# Altium PCB Project_board_V3.0.PcbDoc (part 2 of 2) (continued)
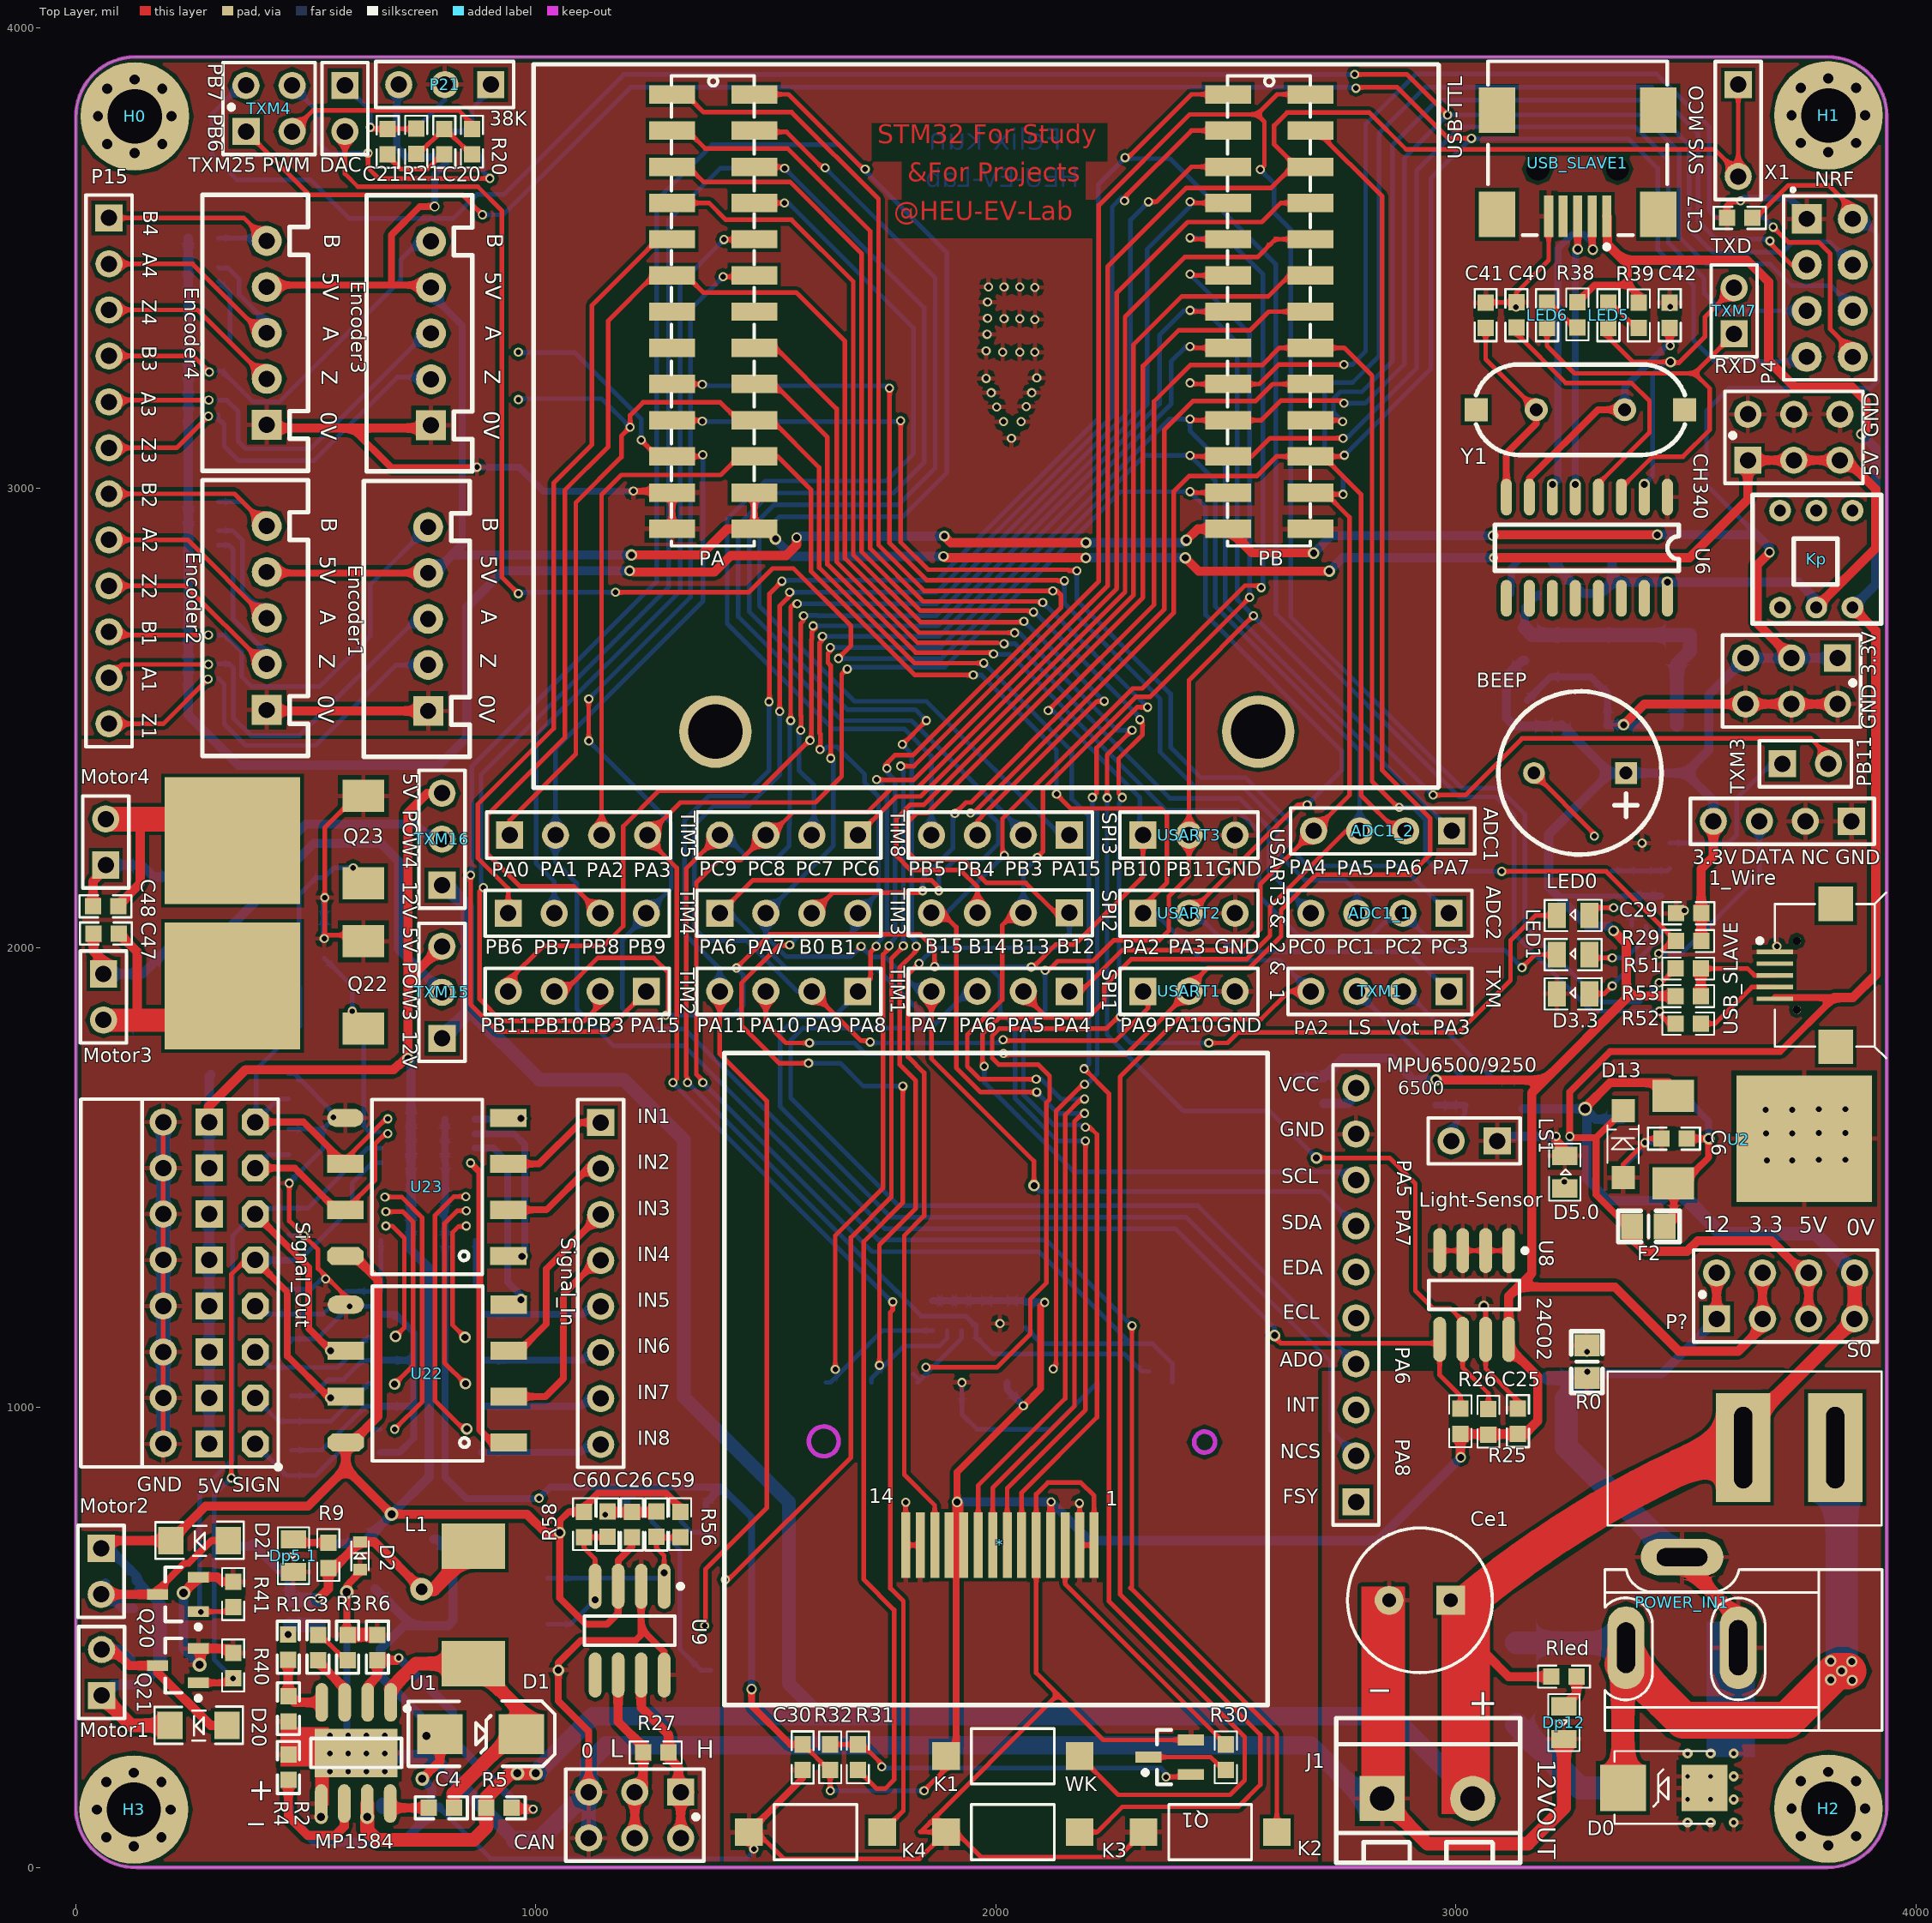
[diagram p0: Top Layer view]
## Nets (pads, with @x,y where several pads share a name; then routed paths per layer and width w, separated by ;. In a path a pad name is that pad's centre, name@x,y a point inside that pad or via, vN(x,y) a via of type N, cw(c..) or ccw(c..) an arc to the next point about the centre after c; other vN are vias at no path point) (continued)
PB12: *.12 PB.7 SPI2.1 | length 3866.3
  Top Layer w10: v1(1833,1966) 1809,1942 1809,1763 1844,1728 1844,1417 1801,1374 1801,1235.53 1801,854 1867.27,787.73 *.12@1867.27,701 ; SPI2.1@2160,2075 2131,2075 2065,2141 1980,2141 1929,2192 1825,2192 1810,2207 1810,2275 1828,2293 1851.28,2293 2320,2761.72 2320,3265 2398,3343 2553.25,3343 2593.52,3383.27 PB.7@2683.87,3383.27 PB.7@2716.73,3383.27
  Bottom Layer w10: v1(1833,1966) 1867,2000 2128,2000 2160,2032 SPI2.1@2160,2076
PB13: *.9 PB.21 SPI2.2 | length 3495.3
  Top Layer w10: *.9@1961.76,701 1961.76,830.76 2151,1020 2151,1636.72 2185.28,1671 v1(2193,1671) ; SPI2.2@2060,2076 2041,2076 2014,2049 2014,1887 1938,1811 1938,1742 1966,1714 v1(2088,1714) ; v1(2090,2196) 2090,2197 2102.53,2209.53 2102.53,2343.51 2305.02,2546 2336,2546 v1(2552,2762) ; v1@2424.83,3462.01 PB.21@2505.13,3462.01
  Bottom Layer w10: SPI2.2@2060,2076 2060,2166 v1(2090,2196) ; v1(2088,1714) 2099,1714 2142,1671 v1(2193,1671) ; v1(2422,3464.83) 2552,3334.83 v1(2552,2762)
PB14: PB.6 SPI2.3 | length 2079.5
  Top Layer w10: SPI2.3@1960,2075 1960,2132 1923,2169 1815,2169 1784,2200 1784,2281 1814,2311 1843.82,2311 2299,2766.18 2299,3311 2404.27,3416.27 2592.27,3416.27 2638.01,3462.01 PB.6@2683.87,3462.01 PB.6@2712.99,3462.01
PB15: *.8 PB.22 SPI2.4 | length 3744.8
  Top Layer w10: SPI2.4@1860,2076 1883,2076 1914,2045 1914,1739 1967,1686 v1(2089,1686) ; *.8@1993.25,701 1993.25,825.25 2171,1003 2171,1622.36 2188.64,1640 v1(2193,1640) ; v1(2018.46,2201) 2014.53,2204.93 2014.53,2280.97 2297.56,2564 2318,2564 2541.53,2787.53 2577,2787.53 v1(2577,2783) ; v1(2422,3543.67) 2424.92,3540.75 PB.22@2505.13,3540.75
  Bottom Layer w10: SPI2.4@1860,2076 1893.46,2076 v1(2018.46,2201) ; v1(2089,1686) 2135,1640 v1(2193,1640) ; v1(2422,3543.67) 2501.33,3543.67 2581,3464 2581,2787 v1(2577,2783)
PC0: ADC1_1.4 PA.8 | length 1954.5
  Top Layer w10: PA.8@1474.87,3304.53 1521.47,3304.53 1654,3172 1654,2839.37 1830.37,2663 2003.47,2663
  Bottom Layer w10: v1(2018,2661) 2042.46,2661 2378.46,2325 2529.98,2325 2594,2260.98 2594,2166 ADC1_1.4@2685,2075
PC1: ADC1_1.3 PA.18 | length 2321.9
  Top Layer w10: PA.18@1296.13,3225.79 1361.21,3225.79 v3(1362,3225) ; v1(1769,3217) 1769,2880 1850,2799 2133.53,2799 2134.53,2798 v1(2149,2798)
  Bottom Layer w10: v3@1362,3222 v1@1769,3222 ; v1(2149,2798) 2149,2749.54 2357,2541.54 2357,2426 2434,2349 2537,2349 2612,2274 2612,2207 2672,2147 2759,2147 2785,2121 ADC1_1.3@2785,2075
PC2: ADC1_1.2 LED1.2 PA.9 | length 2564.2
  Top Layer w10: PA.9@1474.87,3225.79 1518.21,3225.79 1633.93,3110.07 1633.93,2833.98 1825.91,2642 v1@1995,2642 ; v1(3144,1957) 3172,1985 LED1.2@3219.57,1985
  Bottom Layer w10: v1(1995,2639) 1996,2638 2031.03,2638 2370.03,2299 2526.14,2299 2572,2253.14 2572,2113 2658,2027 2817,2027 2865,2075 ADC1_1.2@2885,2075 2965,1995 3106,1995 v1(3144,1957)
PC3: ADC1_1.1 PA.17 | length 2416.1
  Top Layer w10: PA.17@1296.13,3147.05 1359.95,3147.05 v3(1362,3145) ; v1(1793,3146) 1793,2882 1853,2822 2157.53,2822 2159.53,2820 v1(2176,2820)
  Bottom Layer w10: v3@1362,3144 1782,3144 ; v1(2176,2820) 2176,2756 2380,2552 2380,2436 2446,2370 2543.46,2370 2639,2274.46 2639,2217 2678,2178 2882,2178 ADC1_1.1@2985,2075
PC4: P4.4 PB.10 | length 2076.8
  Top Layer w10: PB.10@2683.87,3147.05 2750.95,3147.05 v1(2754,3144)
  Bottom Layer w10: v1(2754,3144) 2734,3164 2734,3194 2749,3209 2796,3209 2862,3275 2862,3745 2960,3843 3410,3843 3507,3746 3507,3564 3559,3512 3710,3512 3733,3535 3813,3535 P4.4@3863,3485
PC5: PB.18 R17.1 | length 1974.5
  Top Layer w10: v1(2422,3228.33) 2424.55,3225.79 PB.18@2505.13,3225.79 2572.79,3225.79 2615,3268 v1(2757,3268)
  Bottom Layer w10: v1(2757,3268) 2775,3268 2804,3297 2804,3791 2913,3900 3436.91,3900 3551,3785.91 3551,3603 3566,3588 R17.1@3590.44,3588
PC6: PB.5 TIM8.1 | length 1901.5
  Top Layer w10: TIM8.1@1700,2245 1784,2329 1836.37,2329 2281,2773.63 2281,3372 2411,3502 2569,3502 2607.75,3540.75 PB.5@2683.87,3540.75 PB.5@2714.25,3540.75
PC7: PB.23 TIM8.2 | length 2041.1
  Top Layer w10: v1(1575.9,2473) 1575.9,2483.37 1577,2484.47 1577,2503.53 1576,2504.53 1576,2705.53 1582,2711.53 v1(1582,2722) ; TIM8.2@1580,2245 TIM8.2@1600,2245 ; v1(2422,3622.5) 2425.01,3619.49 PB.23@2505.13,3619.49
  Bottom Layer w10: v1@1575,2472 1575.9,2472.9 v1(1575.9,2473) ; v1@1575,2473 1572,2470 1572,2386 1605,2353 TIM8.2@1605,2245 ; v1(1582,2722) 1592.47,2722 1593.47,2723 1612.53,2723 1613.53,2722 1870.89,2722 1967,2818.11 1967,2818.91 2329,3180.91 2329,3519 2422,3612 v1(2422,3622.5) ; TIM8.2@1584.73,2260.27 TIM8.2@1600,2245
PC8: PB.4 R50.1 SDcard.8 TIM8.3 | length 4395
  Top Layer w10: v1@1360,1714 1350,1724 1349,1724 1349,2142 1397,2190 1445,2190 TIM8.3@1500,2245 1510,2245 1560,2295 1721,2295 1773,2347 1828.91,2347 2263,2781.09 2263,3424 2417,3578 2578,3578 2619.49,3619.49 PB.4@2683.87,3619.49 PB.4@2715.51,3619.49
  Bottom Layer w10: v1(1363,1707) 1731,1339 2094,1339 2294,1139 2341,1139 ; R50.1@2064,1174.44 2099.44,1139 2341,1139 ; SDcard.8@2384,1055 2384,1096 2341,1139
PC9: PB.24 Rf20.5 SDcard.7 TIM8.4 | length 4140.5
  Top Layer w10: v1(1330,1707) 1330,1717 1327,1720 1327,2172 TIM8.4@1400,2245 ; v1(1554,2494) 1554,2741 1561,2748 v1(1568,2748) ; v1(2332,3622) 2348.88,3622 2425.1,3698.23 PB.24@2505.13,3698.23
  Bottom Layer w10: v1(1330,1707) 1784,1253 1785.53,1253 1799,1239.53 1799,1238 1838,1199 1935,1199 1957.24,1176.76 Rf20.5@1957.24,1167.5 1957.24,1152.76 1993,1117 2279,1117 2317,1079 SDcard.7@2333,1079 ; TIM8.4@1400,2245 1412,2245 1462,2195 1524,2195 1551,2222 1551,2268 1552,2269 1552,2492 v1(1554,2494) ; v1(1568,2748) 1871.44,2748 1949,2825.56 1949,2826.37 2293,3170.37 2293,3583 v1(2332,3622)
PC10: PA.26 Rf20.8 SDcard.9 | length 3970.5
  Top Layer w10: PA.26@1260.71,3855.71 PA.26@1296.13,3855.71 1326.29,3855.71 1365,3817 1556,3817 1745,3628 1745,2875.65 1844.65,2776 v1(2124,2776) 2133,2776 2142,2767 2142,2740.46 1820.54,2419 1781,2419 v1@1759,2397 ; v1(1651,1083) 1651,1374 1755,1478 1755,1985.47 1768,1998.47 v1(1768,2004)
  Bottom Layer w10: SDcard.9@1630.91,1054.64 1640.64,1054.64 1753.5,1167.5 Rf20.8@1862.76,1167.5 ; v1(1763,2390) 1764,2389 1764,2381 1781,2364 1781,2021 v1@1766,2006
PC11: PA.2 Rf20.7 SDcard.1 | length 3784.1
  Top Layer w10: PA.2@1474.87,3776.97 1477.84,3774 1545.06,3774 1623.06,3696 v1(1629,3696) ; v1(1747,1092) 1747,1354 1826,1433 1826,1711 1791,1746 1791,1957 1827,1993 v1(1827,2003) ; v1(1797,2442) v1(1849,2494)
  Bottom Layer w10: v1(1629,3696) 1868,3457 1868,3043 1788,2963 1518,2963 1464,2909 1464,2731 1677,2518 1825,2518 v1(1849,2494) ; SDcard.1@1730,1055 1730,1064 1800,1134 1877,1134 1894.25,1151.25 Rf20.7@1894.25,1167.5 ; v1(1797,2442) 1817,2422 1817,2023 1827,2013 v1(1827,2003)
PC12: PA.25 SDcard.5 | length 3509.7
  Top Layer w10: PA.25@1296.13,3776.97 1329.03,3776.97 1368,3738 1547,3738 1727,3558 1727,2868.19 1842.19,2753 2091.53,2753 2097.53,2747 v1@2098,2747 ; v1(2125,1084) 2131,1090 2131,1645 v1@2193,1707 ; v1(2210,2327) 2219,2336 2219,2434.53 2307.47,2523 v1(2330,2523)
  Bottom Layer w10: v1@2105.54,2751 v1(2102,2751) v1(2330,2523) ; v1@2193,1707 2202,1707 2220.53,1725.53 2220.53,2293.93 2210,2304.46 v1(2210,2327)
  other v1: 2193,1703
PC13: PA.20
PC14: PA.7
PC15: PA.19
PD2: LED0.2 PA.24 Rf20.6 SDcard.2 | length 5218
  Top Layer w10: PA.24@1296.13,3698.23 1331.77,3698.23 1364.77,3665.23 1552.77,3665.23 1708,3510 1708,2861.73 1836.73,2733 2070.53,2733 2073.53,2730 v1(2082,2730) ; v1(1848,1088) 2003,1088 2075,1160 2075,1236 2110,1271 2110,1663 2117,1670 2117,1721 2092,1746 2006,1746 1992,1760 1992,1808.53 2007.47,1824 2240,1824 2266,1850 v1(2271,1850) ; v1(2275,2327) 2267,2335 2267,2411.47 2319,2463.47 2319,2490 v1(2313,2496) ; v1(2463,1793) 2504,1793 2527,1816 3006,1816 3119,1929 3119,2016 3173,2070 LED0.2@3219.57,2070
  Bottom Layer w10: SDcard.2@1821,1073 SDcard.2@1828,1066 ; SDcard.2@1830,1055 1925.75,1150.75 Rf20.6@1925.75,1167.5 ; v1(2082,2730) 2084.53,2730 v1@2317.76,2496.76 ; v1(2275,2327) 2275,2321 2268,2314 2268,1818 2293,1793 v1(2463,1793)
PWM1: C64.1 Q20.1 R40.2 Rf4.1 Signal_Out.5 U22.7 | length 1853.9
  Top Layer w10: v1(338,847) 338,1290 369,1321 Signal_Out.5@390,1321
  Top Layer w15: Q20.1@266.29,401.6 332.16,401.6 R40.2@342,411.44 ; Signal_Out.5@390,1321 460,1251 460,1112 548,1024 U22.7@586.83,1024
  Bottom Layer w10: v1@335,847 v1(338,847) 304,813 301,813 301,452 v1(342,411) ; C64.1@463,1320.44 485.44,1320.44 601,1436 601,1489 644.76,1532.76 Rf4.1@663.5,1532.76
  Bottom Layer w15: Signal_Out.5@390.56,1320.44 C64.1@463,1320.44
  other v2: 554,1021
PWM2: C65.1 Q21.1 R41.2 Rf4.2 Signal_Out.6 U22.6 | length 1782.3
  Top Layer w10: Q21.1@266.29,556.6 332.16,556.6 331.56,556 v1(272,556) ; Signal_Out.6@390,1428.06 Signal_Out.6@405.94,1428.06
  Top Layer w15: Signal_Out.6@390,1421 506,1305 506,1172 v2(554,1124) U22.6@572,1124
  Top Layer w20: Signal_Out.6@390,1428.06 Signal_Out.6@393.53,1424.53
  Bottom Layer w10: v1(272,556) 269,559 269,816 338,885 341,885 341,1374 388,1421 Signal_Out.6@390,1421 402.44,1433.44 C65.1@463,1433.44 504.44,1433.44 635.25,1564.25 Rf4.2@663.5,1564.25
PWM3: C66.1 Q22.1 R42.2 Rf4.3 Signal_Out.7 U23.7 | length 1029.6
  Top Layer w10: U23.7@585.83,1430 650,1494.17 650,1573 673,1596 v1(678,1596) ; v1(601,1862) 623.83,1839.17 Q22.1@623.83,1806.95
  Top Layer w15: Signal_Out.7@390,1521 476,1521 567,1430 U23.7@585.83,1430
  Bottom Layer w10: Signal_Out.7@390,1521 419.44,1550.44 C66.1@463,1550.44 ; R42.2@540,1977.44 601,1916.44 v1(601,1862) 626,1837 626,1612 638,1600 Rf4.3@659.25,1600
PWM4: C67.1 Q23.1 R43.2 Rf4.4 Signal_Out.8 U23.6 | length 1187.2
  Top Layer w10: U23.6@585.83,1530 585.83,1539.83 674,1628 v1(678,1628) ; v1(603,2174) 623.83,2153.17 Q23.1@623.83,2122.95
  Top Layer w15: Signal_Out.8@390,1621 494.83,1621 U23.6@585.83,1530
  Bottom Layer w10: Signal_Out.8@390,1621 440.44,1671.44 C67.1@462,1671.44 ; Signal_Out.8@392,1635 392,1735 487,1830 487,1914 485,1916 485,2115 522.56,2152.56 R43.2@540,2152.56 561.44,2174 v1(603,2174)
RXD: LED6.2 TXM7.1 U6.3 | length 906.6
  Top Layer w10: LED6.2@3198.33,3347.44 3198.33,3308.67 3258,3249 3519,3249 ; U6.3@3360,2980 3360,3000 3428,3068 3494,3068 3552,3126 3552,3216 3519,3249 ; TXM7.1@3605,3335 3519,3249
TXD: LED5.2 TXM7.2 U6.2 | length 743.4
  Top Layer w10: LED5.2@3331.67,3347.44 3321.61,3337.39 3385,3274 v4(3467,3274) ; U6.2@3410,2980 U6.2@3410,3013 ; v4@3467,3272 3485,3272 3542,3329 3542,3372 TXM7.2@3605,3435
  Bottom Layer w10: v4@3412,3010 3428,3026 3428,3247 3455,3274 v4(3467,3274)
  other v4: 3410,3008
VBTN: D13.2 F2.2 Kp.3 P?.3 P?.7 R11.1 R38.1 R39.2 USB_SLAVE1.1 USB_SLAVE.1 | length 4384.1
  Top Layer w15: R38.1@3264.5,3404.06 3301.44,3441 3375,3441 ; D13.2@3364,1645.84 3305,1586.84 ; 3364,3495 3375,3484 3375,3441 ; F2.2@3381,1387 3305,1463 3305,1586.84 ; F2.2@3383.57,1368.43 F2.2@3383.57,1394 ; R39.2@3397.83,3403.06 3397.83,3418.17 3375,3441 ; USB_SLAVE.1@3693.9,1891.7 3822.7,1891.7 3705,1774 3335,1774 3248,1687 3248,1586.84 3305,1586.84
  Top Layer w19.68: F2.2@3383.57,1368.43 3412,1340 3503,1340 3526,1363 3686,1363 3767,1282 P?.3@3767,1193
  Top Layer w20: USB_SLAVE1.1@3327.99,3590.94 3329.5,3589.44 3329.5,3529.5 3364,3495 3633,3495 3680,3448 3680,3276 3737,3219 3861.26,3219 3892,3188.26 3892,3127 v4(3882,3117) ; 3822.7,1891.7 3863.3,1891.7 3913.01,1941.4 3913.01,2689.47 Kp.3@3862.48,2740
  Bottom Layer w15: R11.1@3238,1538.12 3248,1548.12 v3(3248,1590)
  Bottom Layer w20: Kp.3@3862.48,2740 3913.01,2790.53 3913.01,3085.99 v4(3882,3117)
VCC3.3: 1_Wire.4 3.3V.1 3.3V.2 3.3V.3 *.4 *.10 *.11 BEEP.1 C15.2 C16.2 C17.1 C25.2 C29.2 C30.2 C50.2 D15.2 F3.2 K1.1 P4.2 P?.2 P?.6 PB.14 R16.1 R25.2 R26.2 R29.2 R32.1 R34.2 R50.2 R53.2 R55.1 R57.1 Rf1.1 Rf1.2 Rf1.3 Rf1.4 Rf3.1 Rf3.2 Rf3.3 Rf3.4 Rf5.5 Rf5.6 Rf5.7 Rf5.8 Rf6.5 Rf6.6 Rf6.7 Rf6.8 Rf7.5 Rf7.6 Rf7.7 Rf7.8 Rf8.5 Rf8.6 Rf8.7 Rf8.8 Rf15.5 Rf15.6 Rf15.7 Rf20.1 Rf20.2 Rf20.3 Rf20.4 SDcard.4 U8.8 | length 16867.4
  Top Layer w10: C30.2@1580,267.56 1581.53,267.56 1640,209.09 v1(1640,167) ; v1(1844,167) 1892,215 K1.1@1892,242.24 ; C17.1@3644.56,3587 3652,3587 3723,3658 3811,3658 3863,3606 P4.2@3863,3585
  Top Layer w15: v4(1469,388) 1469,352 1553.44,267.56 C30.2@1580,267.56 ; K1.1@1892,242.24 1914,264.24 1914,699 ; v4(1916,795) 1916,860 v1(2060,1004) 2097.5,1041.5 2097.5,1220.5 v1(2106,1229) ; *.4@2119.24,701 2119.24,794.24 v1(2120,795) ; v4@3010,893 v4(3011,892) ; U8.8@3115,1131 U8.8@3115,1148.54 ; C25.2@3135,942.44 C25.2@3149.44,942.44
  Top Layer w19.68: P?.2@3667,1208 P?.6@3667,1293
  Top Layer w20: v8@1212,2817 1388,2817 1424,2853 1544,2853 1567,2876 v8(1567,2892) ; v8(1888,2895) 1902,2881 v11(2196,2881) ; v2(2414,2886) 2438.83,2910.83 PB.14@2505.13,2910.83 2556.96,2859 2690,2859 v2(2691,2858) ; v2(2957.13,1712.56) 3193.56,1712.56 ; v4@3010,893 R26.2@3010,942.44 C25.2@3135,942.44 ; v4(3081,2896) 3083,2898 v4(3438,2898) ; U8.8@3115,1131 3178,1068 3178,971 C25.2@3149.44,942.44 ; U8.8@3115,1148.54 3115,1242 3165,1292 3165,1684 3193.56,1712.56 ; 3135,1262 3346,1262 3485,1123 3614,1123 3667,1176 P?.2@3667,1193 P?.2@3667,1208 ; v4(3343,2037) 3370.87,2009.13 3370.87,1889.87 3193.56,1712.56 ; 3370.87,1894.87 R53.2@3477.44,1894.87 ; R29.2@3533.56,2014.63 3533.56,2171.56 3560,2198 1_Wire.4@3560,2275 ; v4(3682,2860) 3682,2859 3655,2832 3655,2706 3730,2631 3.3V.2@3730,2630
  Bottom Layer w10: v1(1640,167) v1(1844,167) ; v2@2409,2881 v2(2414,2886) ; 3226,2112.5 Rf15.5@3382.76,2112.5 ; 3643,2909 3545,3007 3545,3168 3594,3217 3902,3217 3917,3232 3917,3403 3916,3404 3916,3551 3882,3585 P4.2@3863,3585 P4.2@3863,3602
  Bottom Layer w15: Rf1.3@793.5,1422.75 802.5,1413.75 802.5,848.5 849,802 996,802 ; Rf3.4@802.5,1627.24 Rf3.3@802.5,1595.75 Rf3.2@802.5,1564.25 Rf3.1@802.5,1532.76 803.5,1531.76 Rf1.4@803.5,1458.24 Rf1.3@803.5,1426.75 ; v1(1007,803) 1031,827 1223,827 ; R57.1@1197.44,784 1197.44,801.44 1223,827 ; R55.1@1370.56,785 1370.56,793.56 1404,827 ; v4(1469,388) 1469,762 1404,827 ; Rf20.1@1862.76,1232.5 Rf20.2@1894.25,1232.5 Rf20.3@1925.75,1232.5 Rf20.4@1957.24,1232.5 2061.06,1232.5 R50.2@2064,1229.56 2105.44,1229.56 v1(2106,1229) ; SDcard.4@2024.61,1054.64 2024.61,1039.39 v1(2060,1004) ; 3333,2047 v4(3343,2037) ; Rf15.5@3382.76,2112.5 Rf15.6@3414.25,2112.5 Rf15.7@3445.75,2112.5 ; 1223,827 1404,827
  Bottom Layer w20: Rf8.8@244.5,3543.24 Rf8.7@244.5,3511.75 Rf8.6@244.5,3480.25 Rf8.5@244.5,3448.76 Rf7.8@244.5,3253.58 Rf7.7@244.5,3222.08 Rf7.6@244.5,3190.59 Rf7.5@244.5,3159.09 Rf6.8@244.5,2969.91 Rf6.7@244.5,2938.41 Rf6.6@244.5,2906.92 Rf6.5@244.5,2875.42 Rf5.8@244.5,2680.24 Rf5.7@244.5,2648.75 Rf5.6@244.5,2617.25 Rf5.5@244.5,2585.76 244.5,2506.5 354,2397 790,2397 850,2457 850,2741 929,2820 v8(1204,2820) ; v8(1567,2892) 1570,2895 v8(1888,2895) ; v4(1916,795) v1(2120,795) 2204,711 2830,711 v4(3011,892) ; v11(2196,2881) v2@2409,2881 ; C16.2@2655,1717.56 2712,1717.56 2754.44,1760 2860,1760 2907.44,1712.56 v2(2957.13,1712.56) ; v2(2691,2858) 2729,2896 v4(3081,2896) ; F3.2@3150,2624.57 3144.57,2624.57 3110,2590 3110,2500 3127.56,2482.44 C15.2@3155,2482.44 3227.44,2482.44 D15.2@3230,2485 3335,2380 ; 3333,2047 3287,2047 3202,2132 3202,2247 3335,2380 ; v4(3438,2898) 3654,2898 ; 1_Wire.4@3560,2275 3560,2320 3500,2380 ; 3643,2909 3654,2898 ; v4(3682,2860) 3682,2870 3654,2898 ; 3.3V.1@3830,2630 3.3V.2@3730,2630 3.3V.3@3630,2630 3550,2550 3550,2430 3500,2380 ; 3335,2380 BEEP.1@3370,2380 3500,2380
VCC5: 5V.1 5V.2 5V.3 C22.1 C38.1 C39.2 Encoder1.4 Encoder2.4 Encoder3.4 Encoder4.4 Kp.2 P21.3 PA.12 PA.13 R22.2 U3.3 U6.16 | length 6424.8
  Top Layer w15: Encoder2.4@415,2815 Encoder1.4@766,2815 ; Encoder4.4@415,3441 684,3441 ; Encoder3.4@766,3441 684,3441 ; v14(780,3612) 748,3612 686,3550 686,3443 684,3441 ; PA.13@1474.87,2910.83 PA.12@1474.87,2989.57
  Top Layer w20: v2(1208,2854) 1359,2854 1415.83,2910.83 1499.17,2910.83 v2(1521,2889) ; v8@1890,2848 v8(2196,2848) ; v2@2413,2847 2441,2819 v2(2725,2819) ; v1(3082,2848) 3508,2848 3635,2975 5V.1@3635,3060 5V.2@3735,3060 5V.3@3835,3060 3850,3060 3913.01,2996.99 3913.01,2869.27 Kp.2@3783.74,2740
  Bottom Layer w15: P21.3@702,3877 697.78,3877 697.78,3739.22 717.56,3719.44 C22.1@733,3719.44 R22.2@798,3719.44 795,3716.44 805,3706.44 780,3681.44 v14(780,3612) ; Encoder1.4@766,2815 779,2815 Encoder1.4@789,2825 ; Encoder3.4@766,3441 766,3427 840,3353 840,2876 ; Encoder3.4@772,3436 Encoder3.4@783,3436
  Bottom Layer w20: Encoder1.4@789,2825 840,2876 ; 822,2854 v2(1208,2854) ; v2(1521,2889) 1521,2888 1558,2851 v8(1886,2851) ; v8(2196,2848) v2(2412,2848) ; v2(2725,2819) 2754,2848 v1(3082,2848) ; C38.1@3210.43,2845 3210.43,2836.98 U3.3@3276.86,2770.55 3315.55,2770.55 3340,2795 ; C39.2@3337.56,2845 3340,2842.56 3340,2795 ; Kp.2@3783.74,2740 3783.74,2756.26 3745,2795 3340,2795
  other v2: 3460,2795
VIN12V: C1.1 C5.1 Ce1.1 J1.2 P?.4 P?.8 R5.2 R36.2 Rled.2 S0.2 TXM15.1 TXM16.1 U1.7 U2.1 U2_1.1 | length 7777
  Top Layer w20: 3065,465 3115,415 Rled.2@3207.44,415 ; v13(3281,1650) 3281,1652.29 3335.71,1707 3462.21,1707 U2.1@3474.17,1695.05
  Top Layer w30: U1.7@633.5,139 v7(633.5,110) 633.5,81.5 655,60 865,60 892.44,87.44 R5.2@892.44,130 892.44,152.44 945,205 v7(960,205) v7(1000,205) ; S0.2@3625,930 3625,951 P?.4@3867,1193 P?.8@3867,1293
  Top Layer w80: 3026.09,577.09 cw(c4410.9,-1088.34) 3625,930 ccw(c4410.9,-1088.34) S0.2@3589.89,915.97
  Bottom Layer w20: R36.2@3145.44,1650 v13(3281,1650) v13@3285,1646 ; C5.1@3362,1627.15 3303.85,1627.15 v13@3285,1646 ; U2_1.1@3475.17,1476.95 3448.21,1450 3332,1450 3285,1497 v13@3285,1646
  Bottom Layer w30: C1.1@667.85,131 C1.1@667.85,137.85 ; TXM15.1@796,1803 855,1862 ; TXM16.1@796,2136 804,2136 851,2089 851,1870 1008,1713 1191,1713 1322,1582 1322,1023 1550,795 1550,400 1618,332 ; v7(960,205) v7(1000,205) 1010,205 v7@1010,215 ; J1.2@3036.85,150 J1.2@3036.85,153.15 ; U2_1.1@3475.17,1476.95 3478.05,1476.95 3577,1378 3782,1378 P?.8@3867,1293 ; S0.2@3625,930 S0.2@3625,970
  Bottom Layer w40: v7@1010,215 1124,329 2861,329 J1.2@3036.85,153.15
pads on no net: H0.0 H0.1 H0.2 H0.3 H0.4 H0.5 H0.6 H0.7 H0.8 H1.0 H1.1 H1.2 H1.3 H1.4 H1.5 H1.6 H1.7 H1.8 H2.0 H2.1 H2.2 H2.3 H2.4 H2.5 H2.6 H2.7 H2.8 H3.0 H3.1 H3.2 H3.3 H3.4 H3.5 H3.6 H3.7 H3.8 Kp.1 Kp.4 Kp.5 Kp.6 MPU6500/9250.1 MPU6500/9250.3 MPU6500/9250.5 MPU6500/9250.6 Rf5.2 Rf6.2 Rf7.2 Rf8.2 Rf15.1 Rf15.8 SDcard.10 SDcard.11 SDcard.12 U6.9 U6.10 U6.11 U6.12 U6.13 U6.14 U6.15 U9.5 USB_SLAVE1.4 USB_SLAVE1.6 USB_SLAVE1.7 USB_SLAVE1.8 USB_SLAVE1.9 USB_SLAVE1.MH1 USB_SLAVE1.MH2 USB_SLAVE. USB_SLAVE.4 USB_SLAVE.6 USB_SLAVE.7 Y1.

## Polygon pours and split planes (outlines as drawn)
AGND on Bottom Layer "Bottom Layer-No Net" (solid, remove dead copper, pour order 8): 2658,1097 2658,7 2660,5
AGND on Bottom Layer "Bottom Layer-No Net" (solid, remove dead copper, pour order 18): 2709,1082 3934,1082 3937,1079 3942,1074 3942,1 2713,1 2709,-3
GND on Bottom Layer "Bottom Layer-No Net" (solid, remove dead copper, pour order 30): -70,3995 -63,3988 4002,3988 4002,-50 3989,-63 -57,-63
AGND on Bottom Layer "Bottom Layer-No Net" (solid, remove dead copper, pour order 32): -5,2450 1397,2450 1398,2449 1400,2447 1400,6 1,6
AGND on Top Layer "Bottom Layer-No Net" (solid, remove dead copper, pour order 16): 2709,-2 2709,1079 3934,1079 3938,1075 3938,-14
AGND on Top Layer "Bottom Layer-No Net" (solid, remove dead copper, pour order 24): 1397,10 1400,13 1400,1533 1400,2471 1382,2453 -3,2453 -3,13 -9,7
GND on Top Layer "Bottom Layer-No Net" (solid, remove dead copper, pour order 28): -63,3988 3954,3988 4008,3934 3995,3921 3995,-50 -23,-50 -50,-23

## Keep-outs
Keep-Out Layer:
  the board outline again, w8

## Other copper
Top Layer:
  rectangle net AGND: 2795,103 2890,611
  rectangle net VIN12V: 2969,116 3074,609
  rectangle net AGND: 445,220 550,305
  rectangle net AGND: 520,135 550,220
  rectangle net NetC48_2: 65,2253 201,2307
  rectangle net NetC47_2: 60,1817 204,1868
  rectangle net VCC3.3: 1905,689 1930,795
  text "STM32 For Study" at 1743,3735 h70
  text "&For Projects" at 1808,3652 h70
  text "@HEU-EV-Lab" at 1778,3568 h70
Bottom Layer:
  rectangle net AGND: 3545,240 3650,535
  text "Felix kun" at 2144,3719 h80
  text "HEU-EV-Lab" at 2181,3640 h70

## Silkscreen, mask and mechanical layers (free items; w line width, h text height)
Top Overlay:
  lines w8: 11,872 11,1670 12,1671 147.06,1671 ; 11,872 12,871 ; 11,872 12,871 ; 12,871 144,871 ; 144,871 440,871 440,1671 147.06,1671 ; 144,871 144,1667.94 147.06,1671
  lines w10: 2961,2348 995,2348 995,3921 2961,3921 2963,3919 2963,2350
  text "PB7" at 276,3923 h54 r270
  text "PB6" at 276,3813 h54 r270
  text "38K" at 899,3776 h54
  text "USB-TTL" at 3025,3715 h54 r90
  text "SYS MCO" at 3550,3680 h54 r90
  text "PWM" at 405,3675 h54
  text "DAC" at 530,3675 h54
  text "NRF" at 3780,3645 h54
  text "B4" at 136,3604 h54 r270
  text "B" at 882,3553 h60 r270
  text "B" at 528,3552 h60 r270
  text "A4" at 134,3511 h54 r270
  text "TXD" at 3555,3499 h54
  text "5V" at 879,3470 h60 r270
  text "5V" at 525,3469 h60 r270
  text "Z4" at 133,3410 h54 r270
  text "A" at 879,3352 h60 r270
  text "A" at 525,3351 h60 r270
  text "B3" at 133,3309 h54 r270
  text "Z" at 877,3257 h60 r270
  text "Z" at 523,3256 h60 r270
  text "RXD" at 3562,3238 h54
  text "A3" at 131,3209 h54 r270
  text "0V" at 875,3167 h60 r270
  text "0V" at 521,3166 h60 r270
  text "Z3" at 132,3110 h54 r270
  text "GND" at 3930,3110 h54 r90
  text "CH340" at 3505,3075 h54 r270
  text "B2" at 133,3013 h54 r270
  text "B" at 872,2936 h60 r270
  text "B" at 522,2935 h60 r270
  text "A2" at 134,2914 h54 r270
  text "5V" at 869,2853 h60 r270
  text "5V" at 519,2852 h60 r270
  text "Z2" at 133,2814 h54 r270
  text "A" at 869,2735 h60 r270
  text "A" at 519,2734 h60 r270
  text "B1" at 133,2712 h54 r270
  text "Z" at 867,2640 h60 r270
  text "Z" at 517,2639 h60 r270
  text "A1" at 133,2611 h54 r270
  text "0V" at 865,2550 h60 r270
  text "0V" at 515,2549 h60 r270
  text "Z1" at 133,2510 h54 r270
  text "GND" at 3925,2475 h54 r90
  text "5V" at 700.16,2380 h54 r270
  text "PB11" at 3915,2350 h54 r90
  text "ADC1" at 3050,2305 h54 r270
  text "POW4" at 699.58,2300 h54 r270
  text "USART3 &  2 &  1" at 2585,2260 h54 r270
  text "DATA" at 3620,2170.58 h54
  text "3.3V" at 3515,2170.42 h54
  text "NC" at 3750.16,2170 h54
  text "GND" at 3825,2170 h54
  text "PA4" at 2638,2149 h54
  text "PA6" at 2845,2148 h54
  text "PA7" at 2949,2148 h54
  text "PA5" at 2741,2147 h54
  text "12V" at 700,2145 h54 r270
  text "PC9" at 1355,2145 h54
  text "PC8" at 1460,2145 h54
  text "PC7" at 1565,2145 h54
  text "PC6" at 1665,2145 h54
  text "PB5" at 1810,2145 h54
  text "PB3" at 2020,2145 h54
  text "PA15" at 2120,2145 h54
  text "PB10" at 2250,2145 h54
  text "GND" at 2480,2145 h54
  text "PA1" at 1009,2144 h54
  text "PB4" at 1915,2144.42 h54
  text "PB11" at 2370,2144.42 h54
  text "PA0" at 904,2143 h54
  text "PA2" at 1110,2142 h54
  text "PA3" at 1212,2142 h54
  text "ADC2" at 3055,2135 h54 r270
  text "5V" at 700.16,2045 h54 r270
  text "B15" at 1846,1977 h54
  text "B14" at 1940,1976 h54
  text "B12" at 2132,1976 h54
  text "PB6" at 890,1975 h54
  text "PB8" at 1100,1975 h54
  text "PB9" at 1200,1975 h54
  text "PA6" at 1355,1975 h54
  text "B0" at 1572,1975 h54
  text "B13" at 2034,1975 h54
  text "PA3" at 2375,1975 h54
  text "GND" at 2475,1975 h54
  text "PC0" at 2635,1975 h54
  text "PC1" at 2740,1975 h54
  text "PC2" at 2845,1975 h54
  text "PC3" at 2945,1975 h54
  text "PB7" at 995,1974.42 h54
  text "PA7" at 1460,1974.42 h54
  text "B1" at 1640,1974 h54
  text "PA2" at 2275,1974.42 h54
  text "POW3" at 699.58,1970 h54 r270
  text "TXM" at 3055,1960 h54 r270
  text "12V" at 700,1820 h54 r270
  text "PB10" at 995,1805 h54
  text "PB3" at 1110,1805 h54
  text "PA15" at 1205,1805 h54
  text "PA10" at 1465,1805 h54
  text "PA9" at 1585,1805 h54
  text "PA8" at 1680,1805 h54
  text "PA6" at 1920,1805 h54
  text "PA5" at 2025,1805 h54
  text "PA9" at 2270,1805 h54
  text "PA10" at 2365,1805 h54
  text "GND" at 2480,1805 h54
  text "PB11" at 880,1804.42 h54
  text "PA11" at 1350,1804.42 h54
  text "PA7" at 1815,1804.42 h54
  text "PA4" at 2125,1804.42 h54
  text "PA2" at 2648,1802 h50
  text "LS" at 2765,1800 h54
  text "Vot" at 2850,1800 h54
  text "PA3" at 2950,1800 h54
  text "VCC" at 2615,1676 h54
  text "6500" at 2874,1670 h50
  text "IN1" at 1221,1607 h54
  text "GND" at 2617,1578 h54
  text "PA5" at 2861,1539 h54 r270
  text "IN2" at 1221,1507 h54
  text "SCL" at 2621,1477 h54
  text "PA7" at 2859,1432 h54 r270
  text "Light-Sensor" at 2920,1425 h54
  text "IN3" at 1221,1407 h54
  text "SDA" at 2621,1376 h54
  text "12" at 3537,1369 h60
  text "3.3" at 3637,1369 h60
  text "5V" at 3746,1368 h60
  text "0V" at 3849,1363 h60
  text "IN4" at 1221,1307 h54
  text "EDA" at 2623,1278 h54
  text "24C02" at 3165,1240 h54 r270
  text "IN5" at 1221,1207 h54
  text "ECL" at 2624,1181 h54
  text "PA6" at 2858,1133 h54 r270
  text "IN6" at 1221,1107 h54
  text "ADO" at 2617,1078 h54
  text "IN7" at 1221,1007 h54
  text "INT" at 2631,980 h54
  text "PA8" at 2858,932 h54 r270
  text "IN8" at 1221,907 h54
  text "NCS" at 2618,878 h54
  text "GND" at 133,806 h54
  text "SIGN" at 340,805 h54
  text "5V" at 264,803 h54
  text "FSY" at 2624,780 h54
  text "+" at 3015,390 h100 r270
  text "_" at 2815,380 h100
  text "12VOUT" at 3165,235 h66 r270
  text "0" at 1099,227 h54
  text "L" at 1161,227 h66
  text "H" at 1348,225 h66
  text "+" at 365,195 h84 r270
  text "WK" at 2150,155 h54
  text "_" at 375,90 h84
  text "MP1584" at 520,30 h54
Bottom Overlay:
  lines w8: 3576,345 3625,345
  text "+" at 3370,322 h100
Top Solder:
  text "STM32 For Study" at 1743,3735 h70
  text "&For Projects" at 1807,3651 h70
  text "@HEU-EV-Lab" at 1778,3568 h70
Bottom Solder:
  text "Felix kun" at 2144,3719 h80
  text "HEU-EV-Lab" at 2182,3640 h70
Mechanical 15:
  lines w8: 2961,2348 1296,2348 1295,2347 996,2347 994,2349 994,3921 2961,3921 2962,3922 2962,2349

## Text inside footprints (layer, text, board x,y; h text height)
*: Top Overlay "14" at 1723.72,781 h54; Top Overlay "1" at 2238.72,776 h54